# Altium PCB DRS4-PCB.PcbDoc (part 2 of 15)
Units mil, origin at the board's own origin, x right, y up, seen from the top; angles counter-clockwise.
Board outline 12350 x 7411.06 mil, 12 copper layers (Top Layer, Ground Layer 2, Signal Layer 3, Signal Layer 4, Ground Layer 5, Power Layer 6, Ground Layer 7, Ground Layer 8, Power Layer 9, Power Layer 10, Ground Layer 11, Bottom Layer), stack 61.6 mil thick; 1411 components, 1117 nets, 4255 pads, 2550 vias.
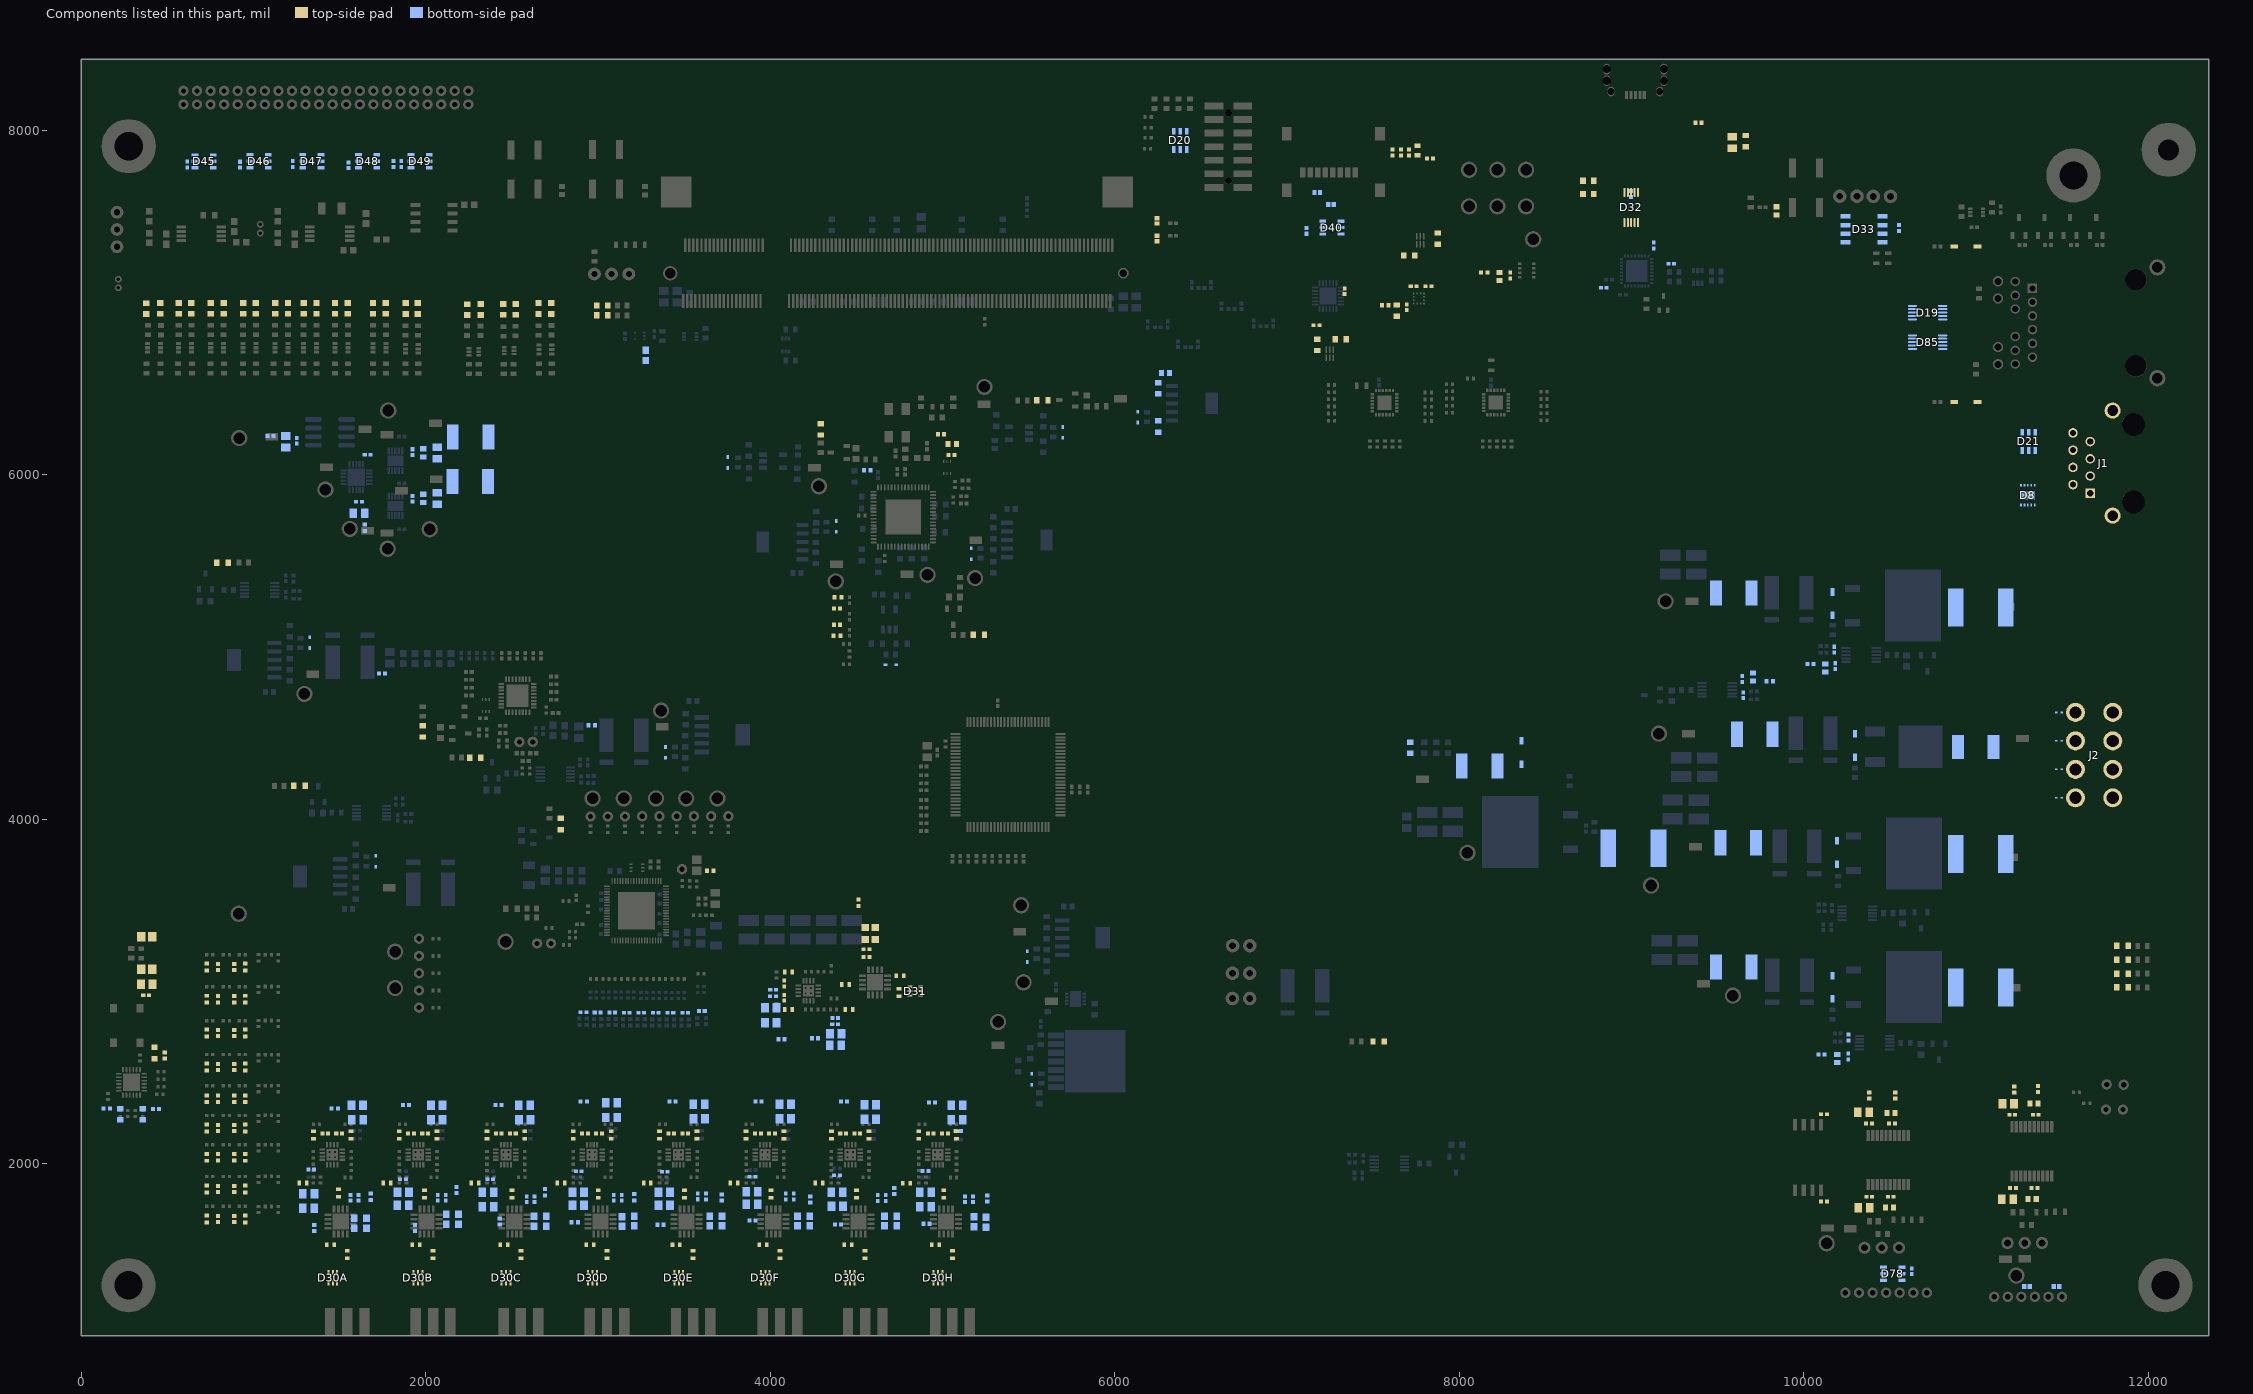
[diagram p12: the components of this part, seen from the top]

## Components (designator, comment, footprint, x,y, rotation, side; value= is the part's Value field where it differs from the comment) (continued)
C201H "Cap_Taiyo_Yuden_TMK105B7104KV-FR_100nF" Cap_Taiyo_Yuden_TMK105B7104KV-FR_100nF#2 5090.2,2190.28 r0 bottom (schematic designator C201)
C202A "Cap_Taiyo_Yuden_TMK105B7104KV-FR_100nF" Cap_Taiyo_Yuden_TMK105B7104KV-FR_100nF#2 1334.68,1966.61 r180 bottom (schematic designator C202)
C202B "Cap_Taiyo_Yuden_TMK105B7104KV-FR_100nF" Cap_Taiyo_Yuden_TMK105B7104KV-FR_100nF#2 1866.96,1910.55 r180 bottom (schematic designator C202)
C202C "Cap_Taiyo_Yuden_TMK105B7104KV-FR_100nF" Cap_Taiyo_Yuden_TMK105B7104KV-FR_100nF#2 2373.62,1910.12 r180 bottom (schematic designator C202)
C202D "Cap_Taiyo_Yuden_TMK105B7104KV-FR_100nF" Cap_Taiyo_Yuden_TMK105B7104KV-FR_100nF#2 2887.52,1955.51 r180 bottom (schematic designator C202)
C202E "Cap_Taiyo_Yuden_TMK105B7104KV-FR_100nF" Cap_Taiyo_Yuden_TMK105B7104KV-FR_100nF#2 3386.97,1953.39 r180 bottom (schematic designator C202)
C202F "Cap_Taiyo_Yuden_TMK105B7104KV-FR_100nF" Cap_Taiyo_Yuden_TMK105B7104KV-FR_100nF#2 3896.45,1924.71 r180 bottom (schematic designator C202)
C202G "Cap_Taiyo_Yuden_TMK105B7104KV-FR_100nF" Cap_Taiyo_Yuden_TMK105B7104KV-FR_100nF#2 4386.33,1932.51 r180 bottom (schematic designator C202)
C202H "Cap_Taiyo_Yuden_TMK105B7104KV-FR_100nF" Cap_Taiyo_Yuden_TMK105B7104KV-FR_100nF#2 4900.01,1957.71 r180 bottom (schematic designator C202)
C203A "Cap_Murata_ GRM21BC71E106ME11L_10uF" "Cap_Murata_ GRM21BC71E106ME11L_10uF" 1602.64,2255.63 r180 bottom (schematic designator C203)
C203B "Cap_Murata_ GRM21BC71E106ME11L_10uF" "Cap_Murata_ GRM21BC71E106ME11L_10uF" 2062.99,2255.63 r180 bottom (schematic designator C203)
C203C "Cap_Murata_ GRM21BC71E106ME11L_10uF" "Cap_Murata_ GRM21BC71E106ME11L_10uF" 2573.27,2255.63 r180 bottom (schematic designator C203)
C203D "Cap_Murata_ GRM21BC71E106ME11L_10uF" "Cap_Murata_ GRM21BC71E106ME11L_10uF" 3077.27,2352.95 r180 bottom (schematic designator C203)
C203E "Cap_Murata_ GRM21BC71E106ME11L_10uF" "Cap_Murata_ GRM21BC71E106ME11L_10uF" 3585.12,2344.37 r180 bottom (schematic designator C203)
C203F "Cap_Murata_ GRM21BC71E106ME11L_10uF" "Cap_Murata_ GRM21BC71E106ME11L_10uF" 4086.81,2344.37 r180 bottom (schematic designator C203)
C203G "Cap_Murata_ GRM21BC71E106ME11L_10uF" "Cap_Murata_ GRM21BC71E106ME11L_10uF" 4580.43,2258.5 r180 bottom (schematic designator C203)
C203H "Cap_Murata_ GRM21BC71E106ME11L_10uF" "Cap_Murata_ GRM21BC71E106ME11L_10uF" 5083.15,2339.88 r180 bottom (schematic designator C203)
C204A "Cap_Murata_ GRM21BC71E106ME11L_10uF" "Cap_Murata_ GRM21BC71E106ME11L_10uF" 1318.19,1741.34 r0 bottom (schematic designator C204)
C204B "Cap_Murata_ GRM21BC71E106ME11L_10uF" "Cap_Murata_ GRM21BC71E106ME11L_10uF" 1866.77,1759.32 r0 bottom (schematic designator C204)
C204C "Cap_Murata_ GRM21BC71E106ME11L_10uF" "Cap_Murata_ GRM21BC71E106ME11L_10uF" 2360.67,1748.82 r0 bottom (schematic designator C204)
C204D "Cap_Murata_ GRM21BC71E106ME11L_10uF" "Cap_Murata_ GRM21BC71E106ME11L_10uF" 2884.76,1757.79 r0 bottom (schematic designator C204)
C204E "Cap_Murata_ GRM21BC71E106ME11L_10uF" "Cap_Murata_ GRM21BC71E106ME11L_10uF" 3383.19,1757.76 r0 bottom (schematic designator C204)
C204F "Cap_Murata_ GRM21BC71E106ME11L_10uF" "Cap_Murata_ GRM21BC71E106ME11L_10uF" 3893.07,1837.36 r0 bottom (schematic designator C204)
C204G "Cap_Murata_ GRM21BC71E106ME11L_10uF" "Cap_Murata_ GRM21BC71E106ME11L_10uF" 4386.26,1834.29 r0 bottom (schematic designator C204)
C204H "Cap_Murata_ GRM21BC71E106ME11L_10uF" "Cap_Murata_ GRM21BC71E106ME11L_10uF" 4900.04,1834.17 r0 bottom (schematic designator C204)
C205A "Cap_Taiyo_Yuden_TMK105B7104KV-FR_100nF" Cap_Taiyo_Yuden_TMK105B7104KV-FR_100nF#2 1415.55,2175.47 r0 top (schematic designator C205)
C205B "Cap_Taiyo_Yuden_TMK105B7104KV-FR_100nF" Cap_Taiyo_Yuden_TMK105B7104KV-FR_100nF#2 1913.9,2175.47 r0 top (schematic designator C205)
C205C "Cap_Taiyo_Yuden_TMK105B7104KV-FR_100nF" Cap_Taiyo_Yuden_TMK105B7104KV-FR_100nF#2 2423.35,2175.47 r0 top (schematic designator C205)
C205D "Cap_Taiyo_Yuden_TMK105B7104KV-FR_100nF" Cap_Taiyo_Yuden_TMK105B7104KV-FR_100nF#2 3005.16,2175.47 r180 top (schematic designator C205)
C205E "Cap_Taiyo_Yuden_TMK105B7104KV-FR_100nF" Cap_Taiyo_Yuden_TMK105B7104KV-FR_100nF#2 3424.41,2175.47 r0 top (schematic designator C205)
C205F "Cap_Taiyo_Yuden_TMK105B7104KV-FR_100nF" Cap_Taiyo_Yuden_TMK105B7104KV-FR_100nF#2 4009.14,2175.47 r180 top (schematic designator C205)
C205G "Cap_Taiyo_Yuden_TMK105B7104KV-FR_100nF" Cap_Taiyo_Yuden_TMK105B7104KV-FR_100nF#2 4503.94,2175.47 r180 top (schematic designator C205)
C205H "Cap_Taiyo_Yuden_TMK105B7104KV-FR_100nF" Cap_Taiyo_Yuden_TMK105B7104KV-FR_100nF#2 5013.21,2175.47 r180 top (schematic designator C205)
C206A "Cap_Murata_ GRM21BC71E106ME11L_10uF" "Cap_Murata_ GRM21BC71E106ME11L_10uF" 1601.42,2340.28 r180 bottom (schematic designator C206)
C206B "Cap_Murata_ GRM21BC71E106ME11L_10uF" "Cap_Murata_ GRM21BC71E106ME11L_10uF" 2062.99,2340.28 r180 bottom (schematic designator C206)
C206C "Cap_Murata_ GRM21BC71E106ME11L_10uF" "Cap_Murata_ GRM21BC71E106ME11L_10uF" 2572.01,2340.28 r180 bottom (schematic designator C206)
C206D "Cap_Murata_ GRM21BC71E106ME11L_10uF" "Cap_Murata_ GRM21BC71E106ME11L_10uF" 3077.27,2268.27 r180 bottom (schematic designator C206)
C206E "Cap_Murata_ GRM21BC71E106ME11L_10uF" "Cap_Murata_ GRM21BC71E106ME11L_10uF" 3587.28,2259.72 r180 bottom (schematic designator C206)
C206F "Cap_Murata_ GRM21BC71E106ME11L_10uF" "Cap_Murata_ GRM21BC71E106ME11L_10uF" 4086.81,2259.72 r180 bottom (schematic designator C206)
C206G "Cap_Murata_ GRM21BC71E106ME11L_10uF" "Cap_Murata_ GRM21BC71E106ME11L_10uF" 4580.43,2343.15 r180 bottom (schematic designator C206)
C206H "Cap_Murata_ GRM21BC71E106ME11L_10uF" "Cap_Murata_ GRM21BC71E106ME11L_10uF" 5083.15,2255.24 r180 bottom (schematic designator C206)
C207A "Cap_Murata_ GRM21BC71E106ME11L_10uF" "Cap_Murata_ GRM21BC71E106ME11L_10uF" 1319.03,1826.02 r0 bottom (schematic designator C207)
C207B "Cap_Murata_ GRM21BC71E106ME11L_10uF" "Cap_Murata_ GRM21BC71E106ME11L_10uF" 1868.9,1833.46 r0 bottom (schematic designator C207)
C207C "Cap_Murata_ GRM21BC71E106ME11L_10uF" "Cap_Murata_ GRM21BC71E106ME11L_10uF" 2360.67,1833.46 r0 bottom (schematic designator C207)
C207D "Cap_Murata_ GRM21BC71E106ME11L_10uF" "Cap_Murata_ GRM21BC71E106ME11L_10uF" 2884.76,1834.96 r0 bottom (schematic designator C207)
C207E "Cap_Murata_ GRM21BC71E106ME11L_10uF" "Cap_Murata_ GRM21BC71E106ME11L_10uF" 3383.27,1834.92 r0 bottom (schematic designator C207)
C207F "Cap_Murata_ GRM21BC71E106ME11L_10uF" "Cap_Murata_ GRM21BC71E106ME11L_10uF" 3893.07,1763.46 r0 bottom (schematic designator C207)
C207G "Cap_Murata_ GRM21BC71E106ME11L_10uF" "Cap_Murata_ GRM21BC71E106ME11L_10uF" 4388.49,1753.85 r0 bottom (schematic designator C207)
C207H "Cap_Murata_ GRM21BC71E106ME11L_10uF" "Cap_Murata_ GRM21BC71E106ME11L_10uF" 4900.04,1749.37 r0 bottom (schematic designator C207)
C208A "Cap_Taiyo_Yuden_TMK105B7104KV-FR_100nF" Cap_Taiyo_Yuden_TMK105B7104KV-FR_100nF#2 1496.54,2175.47 r180 top (schematic designator C208)
C208B "Cap_Taiyo_Yuden_TMK105B7104KV-FR_100nF" Cap_Taiyo_Yuden_TMK105B7104KV-FR_100nF#2 1995.56,2175.47 r180 top (schematic designator C208)
C208C "Cap_Taiyo_Yuden_TMK105B7104KV-FR_100nF" Cap_Taiyo_Yuden_TMK105B7104KV-FR_100nF#2 2505.01,2175.47 r180 top (schematic designator C208)
C208D "Cap_Taiyo_Yuden_TMK105B7104KV-FR_100nF" Cap_Taiyo_Yuden_TMK105B7104KV-FR_100nF#2 2923.5,2175.47 r0 top (schematic designator C208)
C208E "Cap_Taiyo_Yuden_TMK105B7104KV-FR_100nF" Cap_Taiyo_Yuden_TMK105B7104KV-FR_100nF#2 3506.07,2175.47 r180 top (schematic designator C208)
C208F "Cap_Taiyo_Yuden_TMK105B7104KV-FR_100nF" Cap_Taiyo_Yuden_TMK105B7104KV-FR_100nF#2 3927.48,2175.47 r0 top (schematic designator C208)
C208G "Cap_Taiyo_Yuden_TMK105B7104KV-FR_100nF" Cap_Taiyo_Yuden_TMK105B7104KV-FR_100nF#2 4422.28,2175.47 r0 top (schematic designator C208)
C208H "Cap_Taiyo_Yuden_TMK105B7104KV-FR_100nF" Cap_Taiyo_Yuden_TMK105B7104KV-FR_100nF#2 4930.67,2175.47 r0 top (schematic designator C208)
C209A "Cap_TDK_C1608X5R1A106M080AC_220nF" Cap_TDK_C1608X5R1A106M080AC_220nF 1286.41,1888.78 r0 top (schematic designator C209)
C209B "Cap_TDK_C1608X5R1A106M080AC_220nF" Cap_TDK_C1608X5R1A106M080AC_220nF 1775,1888.5 r0 top (schematic designator C209)
C209C "Cap_TDK_C1608X5R1A106M080AC_220nF" Cap_TDK_C1608X5R1A106M080AC_220nF 2284.45,1888.5 r0 top (schematic designator C209)
C209D "Cap_TDK_C1608X5R1A106M080AC_220nF" Cap_TDK_C1608X5R1A106M080AC_220nF 2784.61,1888.5 r0 top (schematic designator C209)
C209E "Cap_TDK_C1608X5R1A106M080AC_220nF" Cap_TDK_C1608X5R1A106M080AC_220nF 3285.08,1888.5 r0 top (schematic designator C209)
C209F "Cap_TDK_C1608X5R1A106M080AC_220nF" Cap_TDK_C1608X5R1A106M080AC_220nF 3788.58,1888.5 r0 top (schematic designator C209)
C209G "Cap_TDK_C1608X5R1A106M080AC_220nF" Cap_TDK_C1608X5R1A106M080AC_220nF 4283.39,1888.5 r0 top (schematic designator C209)
C209H "Cap_TDK_C1608X5R1A106M080AC_220nF" Cap_TDK_C1608X5R1A106M080AC_220nF 4790.91,1886.38 r0 top (schematic designator C209)
C210A "Cap_TDK_C1608X5R1A106M080AC_220nF" Cap_TDK_C1608X5R1A106M080AC_220nF 1543.62,1471.73 r270 top (schematic designator C210)
C210B "Cap_TDK_C1608X5R1A106M080AC_220nF" Cap_TDK_C1608X5R1A106M080AC_220nF 2042.32,1471.73 r270 top (schematic designator C210)
C210C "Cap_TDK_C1608X5R1A106M080AC_220nF" Cap_TDK_C1608X5R1A106M080AC_220nF 2551.77,1471.73 r270 top (schematic designator C210)
C210D "Cap_TDK_C1608X5R1A106M080AC_220nF" Cap_TDK_C1608X5R1A106M080AC_220nF 3051.93,1471.73 r270 top (schematic designator C210)
C210E "Cap_TDK_C1608X5R1A106M080AC_220nF" Cap_TDK_C1608X5R1A106M080AC_220nF 3551.78,1471.73 r270 top (schematic designator C210)
C210F "Cap_TDK_C1608X5R1A106M080AC_220nF" Cap_TDK_C1608X5R1A106M080AC_220nF 4055.48,1471.73 r270 top (schematic designator C210)
C210G "Cap_TDK_C1608X5R1A106M080AC_220nF" Cap_TDK_C1608X5R1A106M080AC_220nF 4550,1471.73 r270 top (schematic designator C210)
C210H "Cap_TDK_C1608X5R1A106M080AC_220nF" Cap_TDK_C1608X5R1A106M080AC_220nF 5057.53,1471.73 r270 top (schematic designator C210)
C211A "Cap_TDK_C1608X5R1A106M080AC_220nF" Cap_TDK_C1608X5R1A106M080AC_220nF 1445.17,1529.41 r180 top (schematic designator C211)
C211B "Cap_TDK_C1608X5R1A106M080AC_220nF" Cap_TDK_C1608X5R1A106M080AC_220nF 1943.11,1529.41 r180 top (schematic designator C211)
C211C "Cap_TDK_C1608X5R1A106M080AC_220nF" Cap_TDK_C1608X5R1A106M080AC_220nF 2452.77,1529.43 r180 top (schematic designator C211)
C211D "Cap_TDK_C1608X5R1A106M080AC_220nF" Cap_TDK_C1608X5R1A106M080AC_220nF 2953.5,1529.43 r180 top (schematic designator C211)
C211E "Cap_TDK_C1608X5R1A106M080AC_220nF" Cap_TDK_C1608X5R1A106M080AC_220nF 3453.35,1529.45 r180 top (schematic designator C211)
C211F "Cap_TDK_C1608X5R1A106M080AC_220nF" Cap_TDK_C1608X5R1A106M080AC_220nF 3957.05,1529.43 r180 top (schematic designator C211)
C211G "Cap_TDK_C1608X5R1A106M080AC_220nF" Cap_TDK_C1608X5R1A106M080AC_220nF 4451.57,1529.45 r180 top (schematic designator C211)
C211H "Cap_TDK_C1608X5R1A106M080AC_220nF" Cap_TDK_C1608X5R1A106M080AC_220nF 4958.96,1529.45 r180 top (schematic designator C211)
C212A "Cap_TDK_C1608X5R1A106M080AC_220nF" Cap_TDK_C1608X5R1A106M080AC_220nF 1492.4,1829.09 r270 top (schematic designator C212)
C212B "Cap_TDK_C1608X5R1A106M080AC_220nF" Cap_TDK_C1608X5R1A106M080AC_220nF 1991.14,1823.7 r270 top (schematic designator C212)
C212C "Cap_TDK_C1608X5R1A106M080AC_220nF" Cap_TDK_C1608X5R1A106M080AC_220nF 2500.59,1823.7 r270 top (schematic designator C212)
C212D "Cap_TDK_C1608X5R1A106M080AC_220nF" Cap_TDK_C1608X5R1A106M080AC_220nF 3000.75,1823.7 r270 top (schematic designator C212)
C212E "Cap_TDK_C1608X5R1A106M080AC_220nF" Cap_TDK_C1608X5R1A106M080AC_220nF 3501.22,1823.7 r270 top (schematic designator C212)
C212F "Cap_TDK_C1608X5R1A106M080AC_220nF" Cap_TDK_C1608X5R1A106M080AC_220nF 4004.29,1823.7 r270 top (schematic designator C212)
C212G "Cap_TDK_C1608X5R1A106M080AC_220nF" Cap_TDK_C1608X5R1A106M080AC_220nF 4498.82,1823.7 r270 top (schematic designator C212)
C212H "Cap_TDK_C1608X5R1A106M080AC_220nF" Cap_TDK_C1608X5R1A106M080AC_220nF 5006.34,1823.7 r270 top (schematic designator C212)
C213A "Cap_TDK_C1608X5R1A106M080AC_220nF" Cap_TDK_C1608X5R1A106M080AC_220nF 1346.81,2166.85 r270 top (schematic designator C213)
C213B "Cap_TDK_C1608X5R1A106M080AC_220nF" Cap_TDK_C1608X5R1A106M080AC_220nF 1845.55,2166.85 r270 top (schematic designator C213)
C213C "Cap_TDK_C1608X5R1A106M080AC_220nF" Cap_TDK_C1608X5R1A106M080AC_220nF 2355,2166.85 r270 top (schematic designator C213)
C213D "Cap_TDK_C1608X5R1A106M080AC_220nF" Cap_TDK_C1608X5R1A106M080AC_220nF 2855.16,2166.85 r270 top (schematic designator C213)
C213E "Cap_TDK_C1608X5R1A106M080AC_220nF" Cap_TDK_C1608X5R1A106M080AC_220nF 3355.63,2166.85 r270 top (schematic designator C213)
C213F "Cap_TDK_C1608X5R1A106M080AC_220nF" Cap_TDK_C1608X5R1A106M080AC_220nF 3859.13,2166.85 r270 top (schematic designator C213)
C213G "Cap_TDK_C1608X5R1A106M080AC_220nF" Cap_TDK_C1608X5R1A106M080AC_220nF 4353.94,2166.85 r270 top (schematic designator C213)
C213H "Cap_TDK_C1608X5R1A106M080AC_220nF" Cap_TDK_C1608X5R1A106M080AC_220nF 4861.46,2166.85 r270 top (schematic designator C213)
C214A "Cap_TDK_C1608X5R1A106M080AC_220nF" Cap_TDK_C1608X5R1A106M080AC_220nF 1566.22,2166.14 r270 top (schematic designator C214)
C214B "Cap_TDK_C1608X5R1A106M080AC_220nF" Cap_TDK_C1608X5R1A106M080AC_220nF 2065.04,2166.85 r270 top (schematic designator C214)
C214C "Cap_TDK_C1608X5R1A106M080AC_220nF" Cap_TDK_C1608X5R1A106M080AC_220nF 2574.21,2166.85 r270 top (schematic designator C214)
C214D "Cap_TDK_C1608X5R1A106M080AC_220nF" Cap_TDK_C1608X5R1A106M080AC_220nF 3076.18,2166.85 r270 top (schematic designator C214)
C214E "Cap_TDK_C1608X5R1A106M080AC_220nF" Cap_TDK_C1608X5R1A106M080AC_220nF 3574.84,2166.85 r270 top (schematic designator C214)
C214F "Cap_TDK_C1608X5R1A106M080AC_220nF" Cap_TDK_C1608X5R1A106M080AC_220nF 4077.91,2166.85 r270 top (schematic designator C214)
C214G "Cap_TDK_C1608X5R1A106M080AC_220nF" Cap_TDK_C1608X5R1A106M080AC_220nF 4572.72,2166.85 r270 top (schematic designator C214)
C214H "Cap_TDK_C1608X5R1A106M080AC_220nF" Cap_TDK_C1608X5R1A106M080AC_220nF 5080.24,2166.85 r270 top (schematic designator C214)
C215 "Cap_Kemet_C0603C102J5RACAUTO_1nF" Cap_Kemet_C0603C102J5RACAUTO_1nF 3276.77,6692.8 r90 bottom
C216A "Cap_Taiyo_Yuden_TMK105B7104KV-FR_100nF" Cap_Taiyo_Yuden_TMK105B7104KV-FR_100nF#2 2914.63,2879.68 r0 bottom (schematic designator C216)
C216B "Cap_Taiyo_Yuden_TMK105B7104KV-FR_100nF" Cap_Taiyo_Yuden_TMK105B7104KV-FR_100nF#2 2997.22,2877.19 r0 bottom (schematic designator C216)
C216C "Cap_Taiyo_Yuden_TMK105B7104KV-FR_100nF" Cap_Taiyo_Yuden_TMK105B7104KV-FR_100nF#2 3081.9,2877.64 r0 bottom (schematic designator C216)
C216D "Cap_Taiyo_Yuden_TMK105B7104KV-FR_100nF" Cap_Taiyo_Yuden_TMK105B7104KV-FR_100nF#2 3166.26,2876.8 r0 bottom (schematic designator C216)
C216E "Cap_Taiyo_Yuden_TMK105B7104KV-FR_100nF" Cap_Taiyo_Yuden_TMK105B7104KV-FR_100nF#2 3250.34,2876.8 r0 bottom (schematic designator C216)
C216F "Cap_Taiyo_Yuden_TMK105B7104KV-FR_100nF" Cap_Taiyo_Yuden_TMK105B7104KV-FR_100nF#2 3334.65,2876.16 r0 bottom (schematic designator C216)
C216G "Cap_Taiyo_Yuden_TMK105B7104KV-FR_100nF" Cap_Taiyo_Yuden_TMK105B7104KV-FR_100nF#2 3419.18,2876 r0 bottom (schematic designator C216)
C216H "Cap_Taiyo_Yuden_TMK105B7104KV-FR_100nF" Cap_Taiyo_Yuden_TMK105B7104KV-FR_100nF#2 3505.67,2875.75 r0 bottom (schematic designator C216)
C217A "Cap_Taiyo_Yuden_TMK105B7104KV-FR_100nF" Cap_Taiyo_Yuden_TMK105B7104KV-FR_100nF#2 1609.27,1802.05 r270 bottom (schematic designator C217)
C217B "Cap_Taiyo_Yuden_TMK105B7104KV-FR_100nF" Cap_Taiyo_Yuden_TMK105B7104KV-FR_100nF#2 2115.44,1802.4 r270 bottom (schematic designator C217)
C217C "Cap_Taiyo_Yuden_TMK105B7104KV-FR_100nF" Cap_Taiyo_Yuden_TMK105B7104KV-FR_100nF#2 2631.1,1793.58 r270 bottom (schematic designator C217)
C217D "Cap_Taiyo_Yuden_TMK105B7104KV-FR_100nF" Cap_Taiyo_Yuden_TMK105B7104KV-FR_100nF#2 3090.25,1802.2 r270 bottom (schematic designator C217)
C217E "Cap_Taiyo_Yuden_TMK105B7104KV-FR_100nF" Cap_Taiyo_Yuden_TMK105B7104KV-FR_100nF#2 3578.9,1810.24 r270 bottom (schematic designator C217)
C217F "Cap_Taiyo_Yuden_TMK105B7104KV-FR_100nF" Cap_Taiyo_Yuden_TMK105B7104KV-FR_100nF#2 4088.78,1809.76 r270 bottom (schematic designator C217)
C217G "Cap_Taiyo_Yuden_TMK105B7104KV-FR_100nF" Cap_Taiyo_Yuden_TMK105B7104KV-FR_100nF#2 4623.88,1800.86 r270 bottom (schematic designator C217)
C217H "Cap_Taiyo_Yuden_TMK105B7104KV-FR_100nF" Cap_Taiyo_Yuden_TMK105B7104KV-FR_100nF#2 5175.83,1793.54 r270 bottom (schematic designator C217)
C218A "Cap_Wurth_Electronics_885012206075_470nF" Cap_Wurth_Electronics_885012206075_470nF 1584.01,1654.41 r270 bottom (schematic designator C218)
C218B "Cap_Wurth_Electronics_885012206075_470nF" Cap_Wurth_Electronics_885012206075_470nF 2188.94,1677.95 r270 bottom (schematic designator C218)
C218C "Cap_Wurth_Electronics_885012206075_470nF" Cap_Wurth_Electronics_885012206075_470nF 2627.2,1666.65 r270 bottom (schematic designator C218)
C218D "Cap_Wurth_Electronics_885012206075_470nF" Cap_Wurth_Electronics_885012206075_470nF 3209.06,1667.13 r270 bottom (schematic designator C218)
C218E "Cap_Wurth_Electronics_885012206075_470nF" Cap_Wurth_Electronics_885012206075_470nF 3719.57,1667.13 r270 bottom (schematic designator C218)
C218F "Cap_Wurth_Electronics_885012206075_470nF" Cap_Wurth_Electronics_885012206075_470nF 4156.96,1667.13 r270 bottom (schematic designator C218)
C218G "Cap_Wurth_Electronics_885012206075_470nF" Cap_Wurth_Electronics_885012206075_470nF 4662.72,1667.13 r270 bottom (schematic designator C218)
C218H "Cap_Wurth_Electronics_885012206075_470nF" Cap_Wurth_Electronics_885012206075_470nF 5181.8,1663.69 r270 bottom (schematic designator C218)
C219A "Cap_Taiyo_Yuden_TMK105B7104KV-FR_100nF" Cap_Taiyo_Yuden_TMK105B7104KV-FR_100nF#2 1561.86,1802.05 r270 bottom (schematic designator C219)
C219B "Cap_Taiyo_Yuden_TMK105B7104KV-FR_100nF" Cap_Taiyo_Yuden_TMK105B7104KV-FR_100nF#2 2069.52,1802.4 r270 bottom (schematic designator C219)
C219C "Cap_Taiyo_Yuden_TMK105B7104KV-FR_100nF" Cap_Taiyo_Yuden_TMK105B7104KV-FR_100nF#2 2585.83,1793.58 r270 bottom (schematic designator C219)
C219D "Cap_Taiyo_Yuden_TMK105B7104KV-FR_100nF" Cap_Taiyo_Yuden_TMK105B7104KV-FR_100nF#2 3136.88,1802.2 r270 bottom (schematic designator C219)
C219E "Cap_Taiyo_Yuden_TMK105B7104KV-FR_100nF" Cap_Taiyo_Yuden_TMK105B7104KV-FR_100nF#2 3626.31,1809.94 r270 bottom (schematic designator C219)
C219F "Cap_Taiyo_Yuden_TMK105B7104KV-FR_100nF" Cap_Taiyo_Yuden_TMK105B7104KV-FR_100nF#2 4136.19,1809.76 r270 bottom (schematic designator C219)
C219G "Cap_Taiyo_Yuden_TMK105B7104KV-FR_100nF" Cap_Taiyo_Yuden_TMK105B7104KV-FR_100nF#2 4669.17,1800.73 r270 bottom (schematic designator C219)
C219H "Cap_Taiyo_Yuden_TMK105B7104KV-FR_100nF" Cap_Taiyo_Yuden_TMK105B7104KV-FR_100nF#2 5129.72,1793.54 r270 bottom (schematic designator C219)
C220A "Cap_Wurth_Electronics_885012206075_470nF" Cap_Wurth_Electronics_885012206075_470nF 1655.04,1654.41 r270 bottom (schematic designator C220)
C220B "Cap_Wurth_Electronics_885012206075_470nF" Cap_Wurth_Electronics_885012206075_470nF 2118.28,1676.84 r270 bottom (schematic designator C220)
C220C "Cap_Wurth_Electronics_885012206075_470nF" Cap_Wurth_Electronics_885012206075_470nF 2698.23,1666.65 r270 bottom (schematic designator C220)
C220D "Cap_Wurth_Electronics_885012206075_470nF" Cap_Wurth_Electronics_885012206075_470nF 3138.02,1664.62 r270 bottom (schematic designator C220)
C220E "Cap_Wurth_Electronics_885012206075_470nF" Cap_Wurth_Electronics_885012206075_470nF 3648.53,1667.13 r270 bottom (schematic designator C220)
C220F "Cap_Wurth_Electronics_885012206075_470nF" Cap_Wurth_Electronics_885012206075_470nF 4227.99,1667.13 r270 bottom (schematic designator C220)
C220G "Cap_Wurth_Electronics_885012206075_470nF" Cap_Wurth_Electronics_885012206075_470nF 4733.75,1667.13 r270 bottom (schematic designator C220)
C220H "Cap_Wurth_Electronics_885012206075_470nF" Cap_Wurth_Electronics_885012206075_470nF 5250.87,1660.63 r270 bottom (schematic designator C220)
C222 "Cap_Taiyo_Yuden_TMK105B7104KV-FR_100nF" Cap_Taiyo_Yuden_TMK105B7104KV-FR_100nF#2 4015.81,3009.95 r180 bottom
C223 "Cap_Taiyo_Yuden_TMK105B7104KV-FR_100nF" Cap_Taiyo_Yuden_TMK105B7104KV-FR_100nF#2 4375.63,2809.72 r0 bottom
C224 "Cap_Taiyo_Yuden_TMK105B7104KV-FR_100nF" Cap_Taiyo_Yuden_TMK105B7104KV-FR_100nF#2 4015.07,2972.28 r180 bottom
C225 "Cap_Taiyo_Yuden_TMK105B7104KV-FR_100nF" Cap_Taiyo_Yuden_TMK105B7104KV-FR_100nF#2 4376.73,2846.34 r0 bottom
C226 "Cap_Murata_ GRM21BC71E106ME11L_10uF" "Cap_Murata_ GRM21BC71E106ME11L_10uF" 4002.13,2905.18 r0 bottom
C227 "Cap_Murata_ GRM21BC71E106ME11L_10uF" "Cap_Murata_ GRM21BC71E106ME11L_10uF" 4379.5,2753.54 r180 bottom
C228 "Cap_Taiyo_Yuden_TMK105B7104KV-FR_100nF" Cap_Taiyo_Yuden_TMK105B7104KV-FR_100nF#2 4081.08,3045.98 r270 top
C229 "Cap_Murata_ GRM21BC71E106ME11L_10uF" "Cap_Murata_ GRM21BC71E106ME11L_10uF" 4002.13,2818.4 r0 bottom
C230 "Cap_Murata_ GRM21BC71E106ME11L_10uF" "Cap_Murata_ GRM21BC71E106ME11L_10uF" 4378.35,2688.78 r180 bottom
C231 "Cap_Taiyo_Yuden_TMK105B7104KV-FR_100nF" Cap_Taiyo_Yuden_TMK105B7104KV-FR_100nF#2 4081.08,2963.44 r90 top